# Altium PCB MP3_Player.PcbDoc (part 1 of 2) (continued)
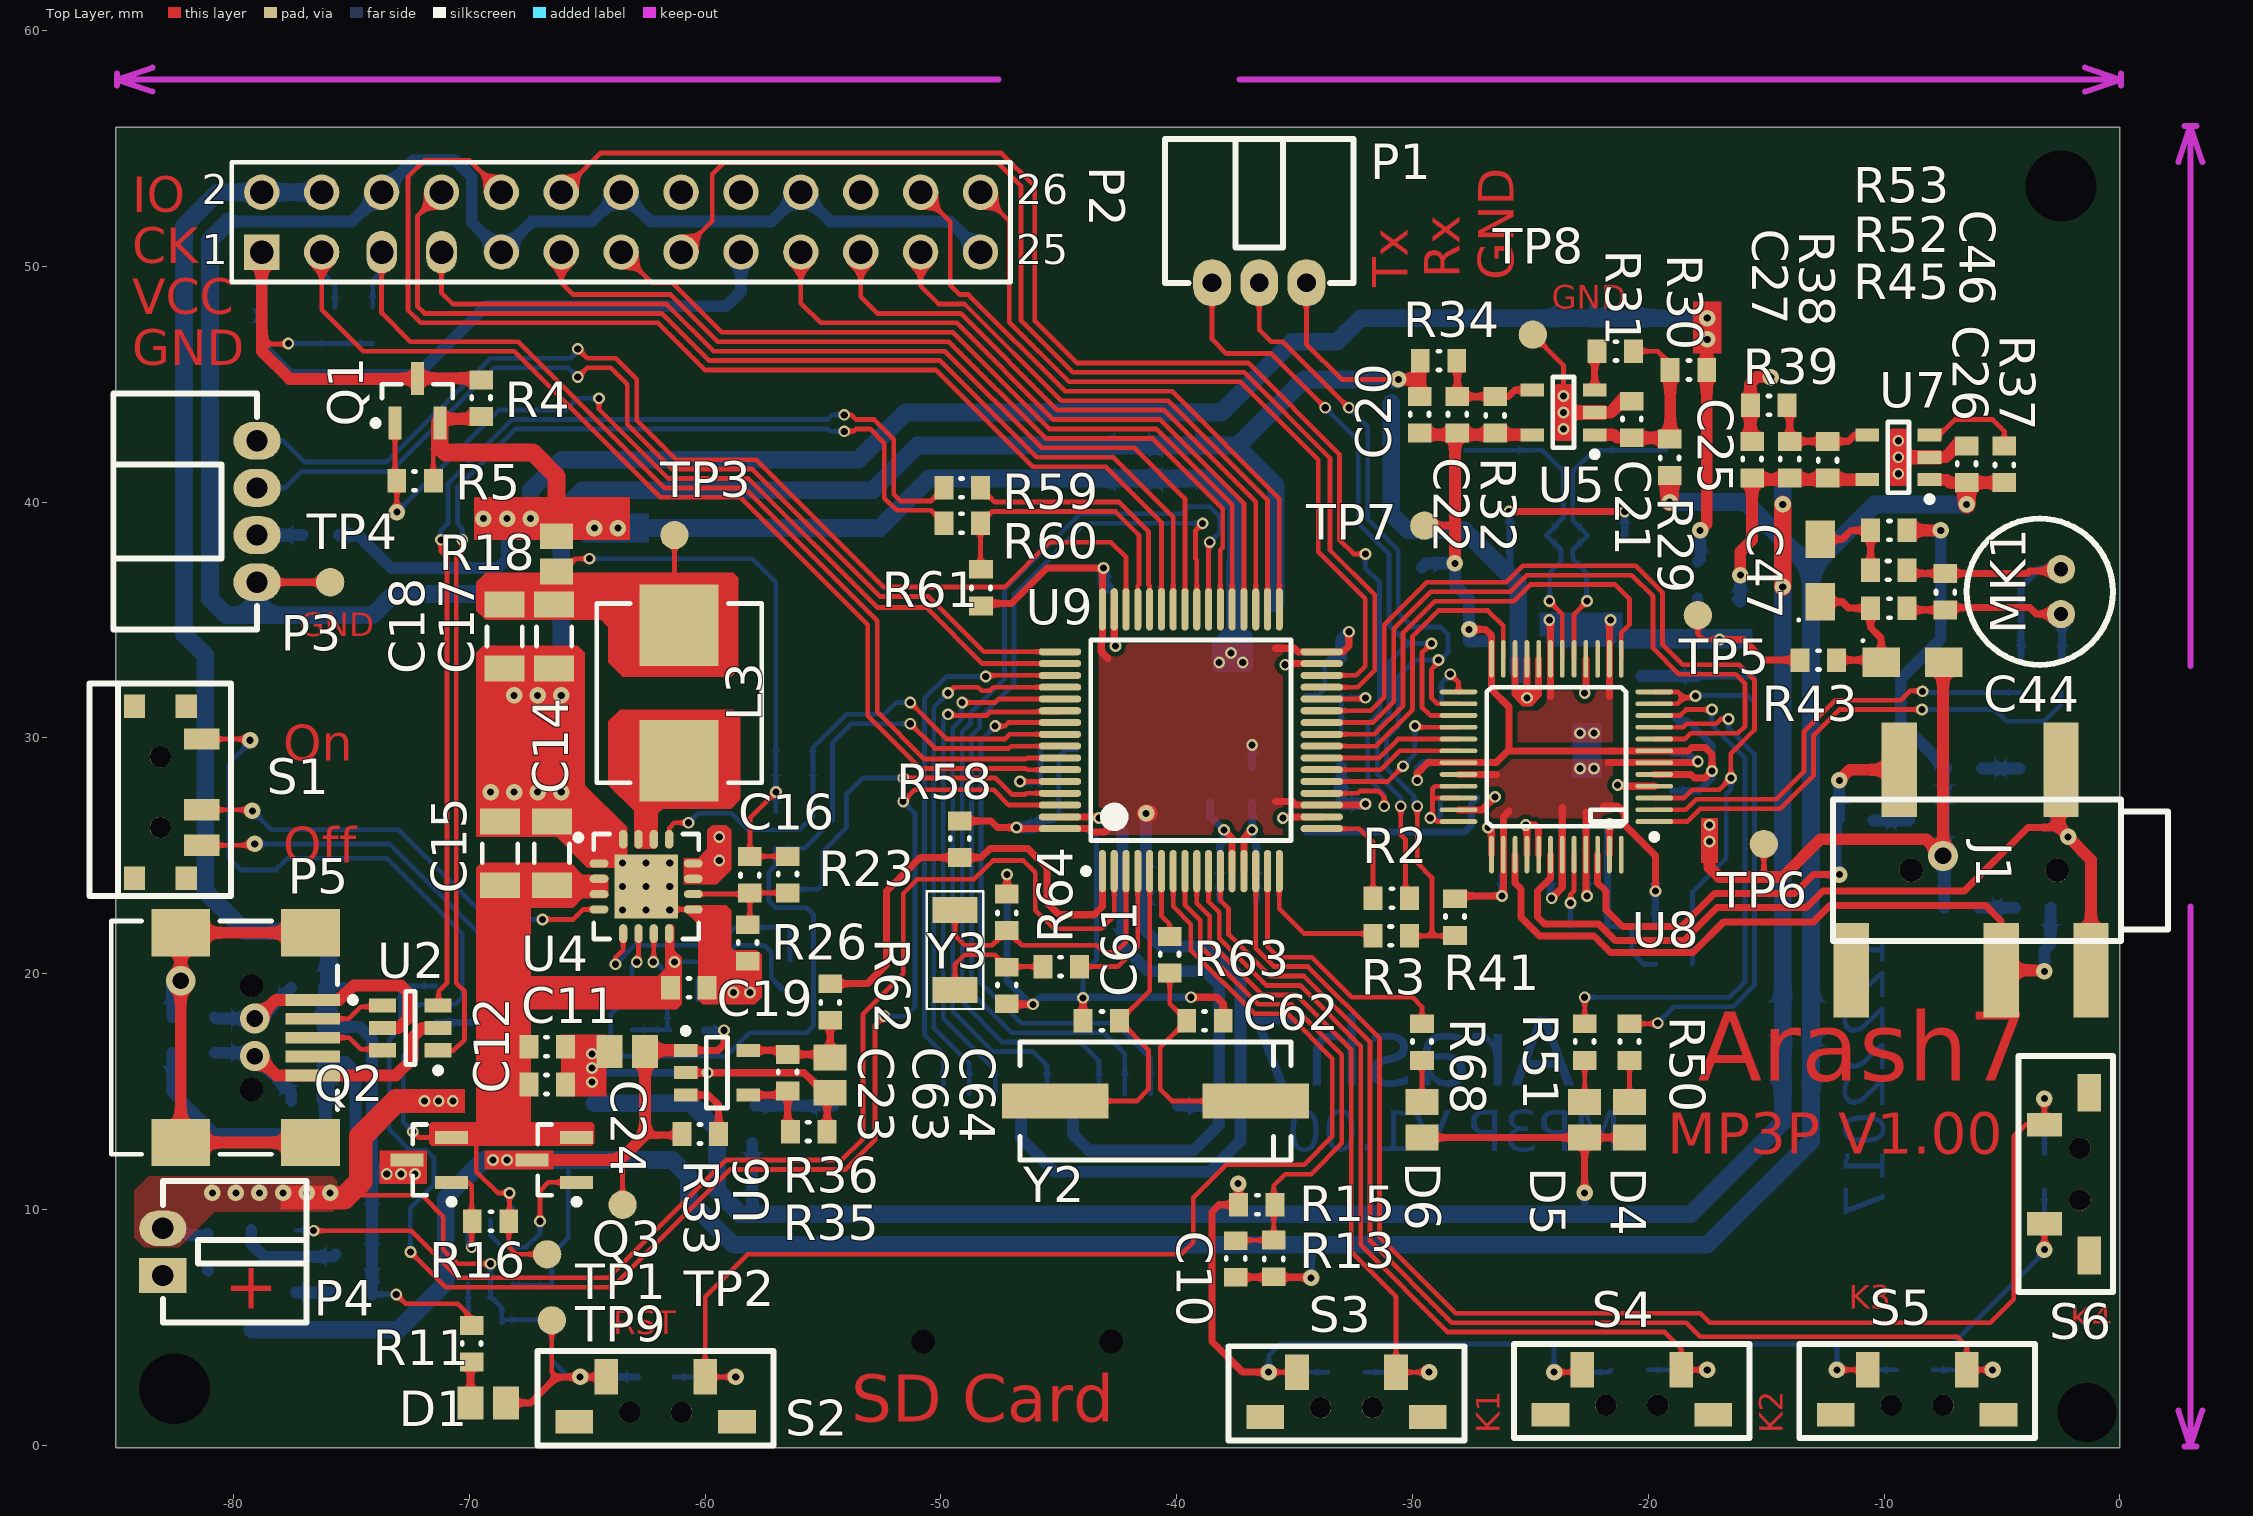
[diagram p0: Top Layer view]
## Components (designator, comment, footprint, x,y, rotation, side; value= is the part's Value field where it differs from the comment) (continued)
R50 "Res Semi" 0603PKG -20.8,17.1 r90 top
R51 "Res Semi" 0603PKG -22.7,17.1 r90 top
R52 "Res1" 0603PKG -9.8,37.1 r180 top
R53 "Res1" 0603PKG -9.8,38.8 r0 top
R54 "Res1" C0805 -3.5,28.7 r180 bottom
R55 "Res1" C0805 -11.2,26.5 r0 bottom
R56 "Res1" C0805 -3.7,22.8 r180 bottom
R57 "Res1" 0603PKG -18.9,22 r0 bottom
R58 "Res1" 0603PKG -49.2,25.7 r90 top
R59 "Res1" 0603PKG -49.1,40.6 r180 top
R60 "Res1" 0603PKG -49.1,39.1 r180 top
R61 "Res1" 0603PKG -48.3,36.375 r270 top
R62 "Res1" 0603PKG -54.7,18.8 r270 top
R63 "Res1" 0603PKG -40.3,20.8 r90 top
R64 "Res1" 0603PKG -44.9,20.3 r180 top
R65 "Res1" 0603PKG -45,29.5 r0 bottom
R66 "Res1" 0603PKG -45,28 r0 bottom
R67 "Res1" 0603PKG -33.8,31.8 r180 bottom
R68 "Res Semi" 0603PKG -29.6,17.1 r90 top
R70 "Res1" 0603PKG -33.8,30.3 r180 bottom
S1 "SW-SPDT" "Slide switch" -83.1,27.7 r270 top locked
S2 "SW-PB" "SMD push button" -62.1,1 r0 top
S3 "SW-PB" "SMD push button" -32.8,1.2 r0 top
S4 "SW-PB" "SMD push button" -20.7,1.3 r0 top
S5 "SW-PB" "SMD push button" -8.6,1.3 r0 top
S6 "SW-PB" "SMD push button" -1.3,11.5 r90 top
SD1 "SD card holder" "MICROSD SOCKET" -47.7,4.4 r180 bottom locked
TP1 "TP" TP_15 -66.7,8.1 r0 top
TP2 "TP" TP_15 -63.5,10.2 r90 top
TP3 "TP" TP_15 -61.3,38.6 r90 top
TP4 "TP" TP_15 -75.9,36.6 r90 top
TP5 "TP" TP_15 -17.9,35.2 r90 top
TP6 "TP" TP_15 -15.1,25.5 r90 top
TP7 "TP" TP_15 -29.5,39 r90 top
TP8 "TP" TP_15 -24.9,47.1 r90 top
TP9 "TP" TP_15 -66.5,5.3 r90 top
U1 "MAX1555" SOT23-5 -78.3,7.8 r270 bottom
U2 "PRTR5V0U2D" SOT457 -72.5,17.7 r180 top
U3 "LTC4412" SOT23-6 -69.1,8.1 r90 bottom
U4 "Buck converter" QFN16-4*4*0.65 -62.5,23.7 r0 top locked
U5 "TPS73601" SOT23-5 -23.6,43.8 r180 top
U6 "TPS76301" SOT23-5 -59.5,15.8 r0 top
U7 "TPS73601" SOT23-5 -9.4,41.9 r180 top
U8 "VS1063" LQFP48 -23.9,29.2 r180 top locked
U9 "STM32F103RCT6" LQFP64 -39.4,29.9 r90 top locked
Y1 "XTAL" SMD_Crystal -23.5,42.2 r180 bottom
Y2 "XTAL" SMD_Crystal -40.9,14.6 r180 top
Y3 "CM415-32.768kHz" CM415 -49.4,21 r270 top

## Footprints (in the part's own frame and the unit in brackets; to place one, negate y for a bottom-side part, rotate by r counter-clockwise, add the part's x,y. Pads: shape width x height; smd on the part's side, far side on the other; paste and mask are expansions set on the pad)
0603PKG [mm] "Chip Resistor, 2-Leads, Body 1.60x0.78mm, IPC Medium Density"
  rect 0.8x1 smd: 1(-0.775,0) 2(0.775,0)
  silkscreen extent -0.02,-0.4 0.08,0.4, body extent -0.83,-0.4 0.77,0.4, height 0.5
3216X18N [mm] "Molded Capacitor, 2-Leads, Body 3.20x1.60mm, IPC Medium Density"
  rect 1.6x1.25 smd: 1(-1.325,0) 2(1.325,0)
  silkscreen extent -2.15,0.88 -2.05,0.97, body extent -1.65,-0.85 1.75,0.95, height 1.7
"Audio Jack" [mm] "Audio 3.5mm barrel jack"
  round 1 hole 1: 0(0.02,2.84) 0(0.02,-3.35)
  rect 4x1.5 smd: 1(-4.25,3) 2(-4.25,-3.858) 3(4.259,-5.89) 4(4.259,0.46) 5(4.259,4.27)
  silkscreen extent -2.98,-6.66 3.02,7.54
C0805 [mm] "Chip Capacitor, Body 2.0x1.3mm, IPC High Density"
  rect 1.1x1.4 smd: 1(-0.75,0) 2(0.75,0)
  body extent -1.1,-0.72 1.1,0.72, height 1.4
C1206 [mm] "Chip Capacitor, Body 3.2x1.6mm, IPC High Density"
  rect 1.1x1.7 smd: 1(-1.35,0) 2(1.35,0)
  silkscreen extent -0.4,-0.75 0.4,0.75, body extent -1.7,-0.9 1.7,0.9, height 1.3
CAPM3216X18N [mm]
  rect 3.45x3.35 smd: 1(-2.875,0) 2(2.875,0)
  silkscreen extent -3.8,-3.5 3.8,3.5, body extent -3.8,-3.45 3.8,3.45, height 2.8
CM415 [mm] "SMD 32.768Khz crystal"
  rect 1.1x1.9 smd: 1(-1.7,0) 2(1.7,0)
  silkscreen extent -2.5,-1.2 2.5,1.2
HDR2X13 [mm] "Connector; Header; 13x2 Position"
  rect 1.5x1.5 hole 1: 1(0,0)
  round 1.5 hole 1: 2(0,2.54) 3(2.54,0) 4(2.54,2.54) 6(5.08,2.54) 8(7.62,2.54) 9(10.16,0) 10(10.16,2.54) 11(12.7,0) 12(12.7,2.54) 13(15.24,0) 14(15.24,2.54) 15(17.78,0) 16(17.78,2.54) 17(20.32,0) 18(20.32,2.54) 19(22.86,0) 20(22.86,2.54) 21(25.4,0) 22(25.4,2.54) 23(27.94,0) 24(27.94,2.54) 25(30.48,0) 26(30.48,2.54)
  oval 1.3x1.8 hole 1: 5(5.08,0) 7(7.62,0)
  silkscreen extent -1.27,-1.27 31.75,3.81
LQFP48 [mm] "LQFP, 48-Leads, Body 9.00x9.00mm, Pitch 0.50mm, IPC Medium Density"
  oval 1.6x0.2 smd: 1(-4.15,2.75) 2(-4.15,2.25) 3(-4.15,1.75) 4(-4.15,1.25) 5(-4.15,0.75) 6(-4.15,0.25) 7(-4.15,-0.25) 8(-4.15,-0.75) 9(-4.15,-1.25) 10(-4.15,-1.75) 11(-4.15,-2.25) 12(-4.15,-2.75) 25(4.15,-2.75) 26(4.15,-2.25) 27(4.15,-1.75) 28(4.15,-1.25) 29(4.15,-0.75) 30(4.15,-0.25) 31(4.15,0.25) 32(4.15,0.75) 33(4.15,1.25) 34(4.15,1.75) 35(4.15,2.25) 36(4.15,2.75)
  oval 0.2x1.6 smd: 13(-2.75,-4.15) 14(-2.25,-4.15) 15(-1.75,-4.15) 16(-1.25,-4.15) 17(-0.75,-4.15) 18(-0.25,-4.15) 19(0.25,-4.15) 20(0.75,-4.15) 21(1.25,-4.15) 22(1.75,-4.15) 23(2.25,-4.15) 24(2.75,-4.15) 37(2.75,4.15) 38(2.25,4.15) 39(1.75,4.15) 40(1.25,4.15) 41(0.75,4.15) 42(0.25,4.15) 43(-0.25,4.15) 44(-0.75,4.15) 45(-1.25,4.15) 46(-1.75,4.15) 47(-2.25,4.15) 48(-2.75,4.15)
  silkscreen extent -4.28,-2.95 2.95,3.52, body extent -4.5,-4.5 4.5,4.5, height 1.6
LQFP64 [mm] "10mm x 10mm body"
  oval 1.8x0.3 smd: 1(-5.55,3.75) 2(-5.55,3.25) 3(-5.55,2.75) 4(-5.55,2.25) 5(-5.55,1.75) 6(-5.55,1.25) 7(-5.55,0.75) 8(-5.55,0.25) 9(-5.55,-0.25) 10(-5.55,-0.75) 11(-5.55,-1.25) 12(-5.55,-1.75) 13(-5.55,-2.25) 14(-5.55,-2.75) 15(-5.55,-3.25) 16(-5.55,-3.75) 33(5.55,-3.75) 34(5.55,-3.25) 35(5.55,-2.75) 36(5.55,-2.25) 37(5.55,-1.75) 38(5.55,-1.25) 39(5.55,-0.75) 40(5.55,-0.25) 41(5.55,0.25) 42(5.55,0.75) 43(5.55,1.25) 44(5.55,1.75) 45(5.55,2.25) 46(5.55,2.75) 47(5.55,3.25) 48(5.55,3.75)
  oval 0.3x1.8 smd: 17(-3.75,-5.55) 18(-3.25,-5.55) 19(-2.75,-5.55) 20(-2.25,-5.55) 21(-1.75,-5.55) 22(-1.25,-5.55) 23(-0.75,-5.55) 24(-0.25,-5.55) 25(0.25,-5.55) 26(0.75,-5.55) 27(1.25,-5.55) 28(1.75,-5.55) 29(2.25,-5.55) 30(2.75,-5.55) 31(3.25,-5.55) 32(3.75,-5.55) 49(3.75,5.55) 50(3.25,5.55) 51(2.75,5.55) 52(2.25,5.55) 53(1.75,5.55) 54(1.25,5.55) 55(0.75,5.55) 56(0.25,5.55) 57(-0.25,5.55) 58(-0.75,5.55) 59(-1.25,5.55) 60(-1.75,5.55) 61(-2.25,5.55) 62(-2.75,5.55) 63(-3.25,5.55) 64(-3.75,5.55)
  silkscreen extent -5.67,-4.25 4.25,4.57
Microphone [mm] "Electret microphone"
  round 1.2 hole 0.6: 1(-0.95,-0.9) 2(0.95,-0.9)
  silkscreen extent -3.1,-3.1 3.1,3.1
"MICROSD SOCKET" [mm]
  round 0 hole 1: 0(-4.93,0) 0(3.05,0)
  rrect50% 0.75x1.65 smd: 1(2.2,10.5) 2(1.1,10.5) 3(0,10.5) 4(-1.1,10.5) 5(-2.2,10.5) 6(-3.3,10.5) 7(-4.4,10.5) 8(-5.5,10.5)
  rrect50% 0.7x1.65 smd: 9(-6.6,10.5)
  rect 0.9x1.45 smd: 10(-7.75,10)
  rect 1.5x2.2 smd: 11(-7.5,0.4) 12(7.5,0.4)
  rect 1.45x1.45 smd: 13(6.85,10)
  silkscreen extent -9.25,-4.57 9.23,11.93, body extent -8.02,-4.1 7.98,11.15, height 1.95
"Mini USB" [mm]
  rect 2.3x0.5 smd: 1(-3.362,-1.387) 2(-3.362,-0.587) 3(-3.362,0.213) 4(-3.362,1.013) 5(-3.362,1.813)
  rect 2.5x2 smd: 6(-3.262,4.663) 7(2.238,4.663) 8(-3.262,-4.237) 9(2.238,-4.237)
  round 1 hole 1 unplated: MH1(-0.762,2.413) MH2(-0.762,-1.987)
  silkscreen extent -5.19,-4.74 5.19,5.16, body extent -4.13,-4.85 5.12,5.05, height 3.93
QFN16-4*4*0.65 [mm]
  oval 0.8x0.35 smd: 1(-2,0.975) 2(-2,0.325) 3(-2,-0.325) 4(-2,-0.975) 9(2,-0.975) 10(2,-0.325) 11(2,0.325) 12(2,0.975)
  oval 0.35x0.8 smd: 5(-0.975,-2) 6(-0.325,-2) 7(0.325,-2) 8(0.975,-2) 13(0.975,2) 14(0.325,2) 15(-0.325,2) 16(-0.975,2)
  rect 2.7x2.7 smd: 17(0,0)
  silkscreen extent -3,-2.22 2.22,2.23, body extent -2.08,-2.08 2.09,2.09, height 0.85
"Slide switch" [mm] "On/Off slide switch"
  rect 1x0.9 smd: 0(-3.65,-1.1) 0(-3.65,1.1) 0(3.65,-1.1) 0(3.65,1.1)
  round 0.9 hole 0.9: 0(-1.5,0) 0(1.5,0)
  rect 0.9x1.5 smd: 1(-2.25,1.75) 2(0.75,1.75) 3(2.25,1.75)
  silkscreen extent -4.6,-3 4.4,3, body extent -3.9,-2.76 3.8,2.24, height 1.4
"SMD push button" [mm]
  rect 1.6x1 smd: 0(-3.45,0) 0(3.45,0)
  round 0.9 hole 0.9: 0(-1.1,0.4) 0(1.1,0.4)
  rect 1x1.5 smd: 1(-2.1,1.9) 2(2.1,1.9)
  silkscreen extent -5,-1 5,3
SMD_Crystal [mm]
  rect 4.5x1.5 smd: 1(-4.25,0) 2(4.25,0)
  silkscreen extent -5.75,-2.5 5.75,2.5, body extent -6.25,-2.4 6.25,2.4, height 4
SOT23 [mm] "SOT23, 3-Leads, Body 2.90x2.30mm, Pitch 0.95mm, IPC Medium Density"
  rect 1.4x0.55 smd: 1(-0.95,0.95) 2(-0.95,-0.95) 3(0.95,0)
  silkscreen extent -1.07,-1.5 0.7,1.9, body extent -1.47,-1.45 1.33,1.45, height 1.3
SOT23-5 [mm] "SOT23, 5-Leads, Body 2.90x2.77mm, Pitch 0.95mm, IPC Medium Density"
  rect 1x0.55 smd: 1(-1.325,0.95) 2(-1.325,0) 3(-1.325,-0.95) 4(1.325,-0.95) 5(1.325,0.95)
  silkscreen extent -1.45,-1.5 0.45,1.9, body extent -1.27,-1.5 1.23,1.5, height 1.05
SOT23-6 [mm]
  rect 0.95x0.55 smd: 1(-1.35,0.95) 2(-1.35,0) 3(-1.35,-0.95) 4(1.35,-0.95) 5(1.35,0) 6(1.35,0.95)
  silkscreen extent -1.47,-1.5 0.5,1.9, body extent -1.25,-1.45 1.15,1.45, height 1
SOT457 [mm]
  rect 1.15x0.6 smd: 1(-1.175,0.95) 2(-1.175,0) 3(-1.175,-0.95) 4(1.175,-0.95) 5(1.175,0) 6(1.175,0.95)
  silkscreen extent -1.3,-1.55 0.2,1.92, body extent -1.4,-1.52 1.4,1.47, height 1
TP_15 [mm] "Test point"
  round 1.2 smd: 1(0,0)
XH_2Pin_RA [mm] "2 pin XH connector 2mm pitch"
  rect 1.5x2 hole 0.9: 1(-1,0)
  oval 1.5x2 hole 0.9: 2(1,0)
  silkscreen extent -3,-6.1 3,0
XH_3Pin_RA [mm] "3 pin XH connector 2mm pitch"
  oval 1.6x2 hole 0.8: 1(-2,0) 2(0,0) 3(2,0)
  silkscreen extent -4,-6.1 4,0
XH_4Pin_RA [mm] "4 pin XH connector 2mm pitch"
  oval 1.6x2 hole 0.9: 1(-3,0) 2(-1,0) 3(1,0) 4(3,0)
  silkscreen extent -5,-6.1 5,0

## Part data
C1 C2 C3 C4 C5 C6 C7 C8 C9 C11 C12 C13 C33 C34 C61 C62 C63 C64 C69: "Capacitor"
C10 C14 C15 C16 C17 C18 C19 C20 C21 C22 C23 C24 C25 C26 C27 C28 C29 C30 C31 C32 C35 C36 C37 C38 C39 C40 C41 C42 C43 C45 C46 C48 C49 C50 C51 C52 C53 C54 C55 C56 C57 C58 C59 C60 C65 C66 C67 C68 C70 C71 C72 C73 C74 C75: "Capacitor (Semiconductor SIM Model)"
C44 C47: "Polarized Capacitor (Surface Mount)"
D1 D4 D5 D6: "Typical INFRARED GaAs LED"
J1: library part "Audio Jack"
L1 L2 L4 L5: library part Inductor, "Inductor"
L3: library part "Inductor Iron", "Magnetic-Core Inductor"
MK1: library part Mic2, "Microphone"
P1: library part "Header 3", "Header, 3-Pin"
P2: library part "Header 13X2", "Header, 13-Pin, Dual row"
P3: library part "Header 4", "Header, 4-Pin"
P4: "Header, 2-Pin"
P5: library part "Mini USB"
Q1 Q2 Q3: library part PMOS-2, "P-Channel Power MOSFET"
R2 R3 R4 R5 R6 R7 R8 R18 R19 R20 R21 R22 R23 R24 R25 R26 R27 R28 R29 R30 R31 R32 R33 R34 R35 R36 R37 R38 R39 R40 R41 R42 R43 R44 R45 R46 R47 R48 R49 R52 R53 R54 R55 R56 R57 R58 R59 R60 R61 R62 R63 R64 R65 R66 R67 R70: "Resistor"
R9 R10 R11 R12 R13 R14 R15 R16 R17 R50 R51 R68: "Semiconductor Resistor"
S1: "SPDT Subminiature Toggle Switch, Right Angle Mounting, Vertical Actuation"
S2 S3 S4 S5 S6: "Switch"
SD1: library part MicroSD_holder
TP1 TP2 TP3 TP4 TP5 TP6 TP7 TP8 TP9: library part "Test Point"
U1: "1-Cell Li+  Battery Chargers"
U2: "TVS Zener"
U3: "Low Loss PowerPath™  Controller in ThinSOT"
U4: library part TPS62110, "17-V, 1.5-A, SYNCHRONOUS STEP-DOWN CONVERTER"
U5 U7: "TPS736xx Cap-Free, NMOS, 400-mA Low-Dropout Regulator with Reverse Current  Protection"
U6: "TPS763 Low-Power 150-mA Low-Dropout Linear Regulators"
U8: "Audion Codec"
U9: "ARM Cortex-M3 32-bit MCU, 256 KB Flash, 48 KB Internal RAM, 51 I/Os, 64-pin LQFP, -40 to 85 degC, Tray"
Y1 Y2: "Crystal Oscillator"
Y3: library part XTAL, "Crystal Oscillator CM415-32.768kHz"

## Free pads (board coordinates)
  round 1.524 hole 3: 2(-82.5,2.4) 2(-2.5,53.4)
  round 1.524 hole 2.5: 2(-1.4,1.4)

## Via types
v1: diameter 0.5, hole 0.3, Top Layer to Bottom Layer, 136 vias
v2: diameter 0.7, hole 0.3, Top Layer to Bottom Layer, 53 vias
v3: diameter 1.27, hole 0.711, Top Layer to Bottom Layer, 4 vias

## Nets (pads, with @x,y where several pads share a name; then routed paths per layer and width w, separated by ;. In a path a pad name is that pad's centre, name@x,y a point inside that pad or via, vN(x,y) a via of type N, cw(c..) or ccw(c..) an arc to the next point about the centre after c; other vN are vias at no path point)
5V0: C7.2 C8.2 L1.2 P2.2 P2.4 Q2.3 R9.1 R10.1 R11.2 R12.2 | length 64.2
  Top Layer w0.2: v1(-73.1,6.4) -72.7,6 -70.5,6 -69.9,5.4 R11.2@-69.9,5.075
  Bottom Layer w0.2: L1.2@-76.05,19.4 -75.95,19.5 R12.2@-74.475,19.5 ; R10.1@-74.125,6.4 v1(-73.1,6.4)
  Bottom Layer w0.5: C7.2@-76.1,17.75 -74.65,17.75 -74.125,17.225 C8.2@-74.125,9.7 R10.1@-74.125,6.4
  Bottom Layer w0.75: P2.4@-76.26,53.14 P2.2@-78.8,53.14 -80.66,53.14 -82.1,51.7 -82.1,34.4 -81.2,33.5 -81.2,23.5 -79.5,21.8 -76.6,21.8 -75.95,21.15 L1.2@-75.95,19.5 ; C7.2@-76.1,17.75 -76.05,17.8 L1.2@-76.05,19.4
  other v1: -73.5,11.5 -72.9,11.5 -72.3,11.5
ADC_BAT: C10.2 R13.1 R15.2 U9.8 | length 22.7
  Top Layer w0.2: U9.8@-39.65,24.35 -39.65,22.916 -39,22.266 -39,21.166 -36.534,18.7 -35.134,18.7 -33,16.566 -33,12.8 -34.3,11.5 -35.4,11.5 -35.883,11.017 R13.1@-35.883,8.7 -37.475,8.7 C10.2@-37.5,8.675
AGND: C35.1 C40.1 C41.1 C42.1 C43.1 C44.2 C49.2 C50.2 C51.2 C52.2 R46.2 R53.2 TP6.1 U8.37 U8.40 U8.41 U8.47 | length 53.9
  Top Layer w0.2: v1(-25.2,26.3) v1@-25.15,26.3 ; -15.1,24.1 TP6.1@-15.1,25.5
  Top Layer w0.3: v1(-26.8,26.2) -26.7,26.2 -26.65,26.15 U8.37@-26.65,25.05 ; U8.40@-25.15,25.05 -25.15,26.3 -24.8,26.3 -24.65,26.15 U8.41@-24.65,25.05 ; U8.47@-21.65,25.05 v1(-21.65,26.35)
  Top Layer w0.5: v1(-17.4,25.6) -17.4,24.5 -17,24.1 -15.1,24.1 -14.3,24.1 -12.7,25.7 -8.2,25.7 v3(-7.5,25) -7.5,33.175 C44.2@-7.475,33.2 ; R53.2@-9.025,38.8 v2(-7.6,38.8)
  Bottom Layer w0.2: C35.1@-21.725,22 -20.9,22 -20.7,21.8 -20.7,20.9 -20.2,20.4 C52.2@-19.675,20.4
  Bottom Layer w0.3: C35.1@-21.725,22 -21.725,26.275 v1(-21.65,26.35)
  Bottom Layer w0.5: v2(-7.6,38.8) -7.6,34.2 -9.3,32.5 -9.3,30.65 C49.2@-7.35,28.7 -7.45,28.6 C50.2@-7.45,26.5 v3@-7.45,25 ; v3(-7.5,25) v3@-7.45,25 ; C51.2@-7.45,22.8 v3@-7.45,25
  other v1: -17.4,26.3
BOOT0: R65.1 R66.1 U9.60 | length 4.2
  Top Layer w0.2: v1(-46.65,28.15) U9.60@-44.95,28.15
  Bottom Layer w0.2: v1(-46.65,28.15) -46.7,28.1 -45.875,28.1 R66.1@-45.775,28 R65.1@-45.775,29.5
BOOT1: R67.1 R70.1 U9.28 | length 4.4
  Top Layer w0.2: U9.28@-33.85,31.65 -32.05,31.65 v1(-32,31.7)
  Bottom Layer w0.2: R70.1@-33.025,30.3 R67.1@-33.025,31.8 -32.925,31.7 v1(-32,31.7)
C\H\G\: U1.3 U9.2 | length 52.2
  Top Layer w0.2: v1(-76.6,9.1) -72.466,9.1 -70.466,7.1 -64.1,7.1 -59.1,12.1 -54.2,12.1 -53.3,13 -53.3,18.3 -51.6,20 -51.6,23.4 -51,24 -48.6,24 -48.125,24.475 -48.114,24.475 -47.789,24.8 -46.5,24.8 -46,24.3 -46,22.7 -45.2,21.9 -43.2,21.9 -42.65,22.45 U9.2@-42.65,24.35
  Bottom Layer w0.2: U1.3@-77.35,9.125 -76.625,9.125 v1(-76.6,9.1)
CVDD: C20.1 C22.1 C28.2 C29.2 C30.2 C31.2 C32.2 R32.2 TP7.1 U5.5 U8.5 U8.7 U8.24 U8.31 | length 47.5
  Top Layer w0.3: v1(-29.8,28.2) -29.8,28.5 -29.35,28.95 U8.31@-28.05,28.95 -26.45,28.95 -25.9,29.5 ; TP7.1@-29.5,39 -28.2,39 ; C22.1@-28.1,42.85 C22.1@-28.1,42.925 ; v2(-27.6,34.6) -26.9,34.6 -26.65,34.35 U8.24@-26.65,33.35 -26.65,32.05 -25.9,31.3 -25.9,29.5 ; U8.5@-19.75,28.45 -18.199,28.45 -18.049,28.3 -17.6,28.3 v1(-17.3,28.6) -17.3,29.3 -17.6,29.6 -18.149,29.6 -18.299,29.45 U8.7@-19.75,29.45 -25.85,29.45 -25.9,29.5
  Top Layer w0.5: C20.1@-29.7,42.925 -29.625,42.85 C22.1@-28.1,42.85 ; v2(-28.2,37.4) -28.2,39 -28.2,42.75 C22.1@-28.1,42.85 ; U5.5@-24.925,42.85 C22.1@-28.1,42.85
  Bottom Layer w0.3: v1(-29.8,28.2) -29.8,28.7 -29.55,28.95 C30.2@-28.825,28.95 ; C28.2@-18.975,27.75 -17.85,27.75 -17.3,28.3 v1(-17.3,28.6) -17.3,29.7 -18.3,30.7 -18.725,30.7 C29.2@-18.975,30.95
  Bottom Layer w0.5: C32.2@-29.6,37.225 -29.425,37.4 v2(-28.2,37.4) -28.2,36.5 -27.6,35.9 v2(-27.6,34.6) -27.6,34.1 -26.825,34.1 C31.2@-26.8,34.075
DAC_OUT1: P2.12 U9.20 | length 61.9
  Top Layer w0.2: P2.12@-66.1,53.14 -64.44,54.8 -47.434,54.8 -46.019,53.384 -46.019,47.681 -44.237,45.9 -36.969,45.9 -33.1,42.031 -33.1,38.4 -32.5,37.8 v1(-32,37.8) ; U9.20@-33.85,27.65 -32.328,27.65 -32.228,27.75 -31.45,27.75 -31.2,27.5 v1(-31.2,27.1)
  Bottom Layer w0.2: v1(-32,37.8) -32,37.2 -31.4,36.6 -31.4,31.1 -31.9,30.6 -31.9,28.3 -31.2,27.6 v1(-31.2,27.1)
DREQ: U8.8 U9.26 | length 31.4
  Top Layer w0.2: U9.26@-33.85,30.65 -31.681,30.65 -30.8,31.531 -30.8,34.631 -29.231,36.2 -25.866,36.2 -25.166,36.9 -20.7,36.9 -19.8,36 -19.8,33.8 -18.7,32.7 -16.3,32.7 -15.9,32.3 -15.9,30.5 -16.2,30.2 -18.2,30.2 -18.45,29.95 U8.8@-19.75,29.95
GBUF: J1.1 J1.5 R54.1 U8.42 | length 39.6
  Top Layer w0.3: U8.42@-24.15,25.05 -24.15,24.05 -24.7,23.5 -24.7,22.4 -24.4,22.1 -22.1,22.1 -21.4,21.4 -18.493,21.4 -17.093,22.8 -13.3,22.8 -12.6,23.5 -6.6,23.5 -3.9,26.2 -2.6,26.2
  Top Layer w0.5: J1.1@-2.5,28.65 -2.6,28.55 -2.6,26.2 v2(-2.2,25.8) -1.23,24.83 J1.5@-1.23,20.141
  Bottom Layer w0.5: R54.1@-2.75,28.7 -2.75,26.35 v2(-2.2,25.8)
GND: C1.1 C2.1 C3.1 C4.1 C5.1 C7.1 C8.1 C9.1 C11.1 C12.1 C13.1 C14.2 C15.2 C17.2 C18.2 C19.2 C20.2 C21.2 C23.2 C24.2 C25.2 C26.2 C28.1 C29.1 C30.1 C31.1 C32.1 C33.1 C34.1 C36.1 C37.1 C38.1 C39.1 C55.1 C56.1 C57.1 C58.1 C59.1 C60.1 C61.1 C62.1 C63.1 C64.1 C65.1 C66.1 C67.1 C68.1 C69.1 C70.1 C71.1 C72.1 C73.1 C74.1 C75.1 D1.2 D4.2 D5.2 D6.2 L2.2 L5.1 P1.1 P2.6 P2.9 P2.14 P2.20 P2.25 P3.4 P4.2 R14.1 R15.1 R17.1 R20.2 R25.2 R26.1 R34.1 R36.1 R39.1 R40.1 R46.1 R48.1 R49.1 R66.2 R70.2 S1.3 S2.1 S3.1 S4.1 S5.1 S6.1 SD1.6 SD1.10 TP4.1 TP8.1 TP9.1 U1.2 U3.2 U4.1 U4.9 U4.11 U4.12 U4.16 U4.17 U5.2 U6.2 U7.2 U8.4 U8.16 U8.20 U8.21 U8.22 U8.35 U9.18 U9.31 U9.47 U9.63 | length 502.3
  Top Layer w0.2: S1.3@-81.35,25.45 -79.35,25.45 -79.1,25.7 v2(-79.1,25.5) ; -74.9,10.9 -74.6,10.6 -72,10.6 -71.1,9.7 -71.1,8.3 -70.5,7.7 v1(-69.1,7.7) ; TP9.1@-66.5,5.3 -66.5,3.1 -66.3,2.9 ; v1(-62.5,23.7) -61.525,22.725 U4.9@-60.5,22.725 ; v2(-36.1,3.1) S3.1@-34.9,3.1 ; P1.1@-34.5,49.3 -34.5,46.7 -33,45.2 v2(-30.6,45.2) ; TP8.1@-24.9,47.1 -23.6,45.8 v1(-23.6,44.5) ; v2(-24,3.1) -22.9,3.1 S4.1@-22.8,3.2 ; v1(-22.7,31.9) v1@-22.65,31.95 ; v1(-21.3,28) v1@-21.25,27.95 ; v2(-12,3.2) S5.1@-10.7,3.2 ; v2(-3.2,8.3) -3.2,9.2 -3.1,9.3 S6.1@-3.2,9.4
  Top Layer w0.3: P3.4@-79,36.6 TP4.1@-75.9,36.6 ; D1.2@-68.45,1.8 -67.4,1.8 -66.3,2.9 v2(-65.3,2.9) S2.1@-64.2,2.9 ; U6.2@-60.825,15.8 v1(-59.9,15.8) -55.8,15.8 -54.95,14.95 C23.2@-54.7,14.95 -54.825,14.825 R36.1@-54.825,13.3 ; C64.1@-47.2,18.725 -47.175,18.7 v1(-46.1,18.7) ; C63.1@-47.2,23.375 v1(-47.2,24.2) ; U9.63@-44.95,26.65 -43.35,26.65 v1(-43.3,26.6) ; C61.1@-43.975,18 v1(-43.975,18.975) ; U9.47@-42.65,35.45 -42.65,33.95 v1(-42.6,33.9) ; v1(-39.4,19) -38.3,19 -38.025,18.725 C62.1@-38.025,18 ; v2(-37.4,11.1) -37.375,11.075 R15.1@-37.375,10.2 -38.2,10.2 -38.5,9.9 -38.5,4.4 -37.2,3.1 v2(-36.1,3.1) ; v1(-35.5,26.6) -35.45,26.65 U9.18@-33.85,26.65 ; v1(-35.4,33.1) -35.35,33.15 U9.31@-33.85,33.15 ; C20.2@-29.7,44.475 C20.2@-29.675,44.5 ; D6.2@-29.6,13.05 D5.2@-22.7,13.05 ; U8.35@-28.05,26.95 -27.05,26.95 v1(-26.5,27.5) ; v1(-25.9,39.6) v1(-21,39.6) ; U8.22@-25.65,33.35 -25.65,31.957 -25.4,31.707 -25.4,31.7 v1(-25.15,31.7) ; U8.21@-25.15,33.35 v1(-25.15,31.7) ; U8.20@-24.65,33.35 -24.65,31.95 -24.9,31.7 v1(-25.15,31.7) ; v1@-23.5,43.8 U5.2@-22.275,43.8 ; v2(-22.7,10.7) D5.2@-22.7,13.05 ; v1@-22.65,31.95 U8.16@-22.65,33.35 ; v1@-21.25,27.95 U8.4@-19.75,27.95 ; C21.2@-21.125,44.275 C21.2@-20.7,44.275 ; D4.2@-20.8,13.05 D5.2@-22.7,13.05 ; v1@-9.3,41.9 U7.2@-8.075,41.9 ; C26.2@-6.925,42.375 C26.2@-6.5,42.375
  Top Layer w0.5: v2(-30.6,45.2) -29.675,45.2 ; C20.2@-29.675,44.5 -29.675,45.2 ; R34.1@-29.675,46 -29.675,45.2 ; U5.2@-22.275,43.8 -21.6,43.8 C21.2@-21.125,44.275 ; C25.2@-15.6,42.575 -15.675,42.65 R39.1@-15.675,44.1 -15.675,45.025 -15.4,45.3 v2(-14.8,45.3) ; U7.2@-8.075,41.9 -7.4,41.9 C26.2@-6.925,42.375
  Top Layer w0.75: v2(-14.3,36.4) v2(-14.3,39.9)
  Top Layer w1: -76.6,10.5 -75.3,10.5 -74.9,10.9 -74.6,11.2 -74.6,13.1 -73.1,14.6 v1@-72.1,14.6
  Bottom Layer w0.2: v2(-79.1,25.5) -73.4,25.5 -69.5,21.6 -69.5,21.1 ; v1(-69.1,7.7) U3.2@-69.1,6.75 -69.1,6.3 -68.625,5.825 R17.1@-68.625,5.2 -68.5,5.325 C13.1@-66.5,5.325 -66.5,3.6 -65.8,2.9 v2(-65.3,2.9) ; v1(-43.975,18.975) -43.975,19 -43.975,20.025 -43.4,20.6 -43.4,25.8 ; C67.1@-33.575,3.098 -33.577,3.1 v2(-36.1,3.1) -36.1,3.8 -35.6,4.3 -24.1,4.3 ; C65.1@-21.575,3.2 -21.675,3.1 v2(-24,3.1) -24,4.2 -24.1,4.3 ; C39.1@-17.9,32.625 -17.85,32.575 R49.1@-15.5,32.575 ; C68.1@-9.475,3.2 v2(-12,3.2) -12,4.3 ; C66.1@-3.2,10.825 v2(-3.2,8.3) -3.3,8.3 -3.3,8.1 -7.1,4.3 -12,4.3 ; -24.1,4.3 -12,4.3
  Bottom Layer w0.3: R14.1@-71.4,17.925 -69.575,17.925 ; v2(-65.3,2.9) -65.298,2.898 C60.1@-62.875,2.898 ; v1@-64.9,15.8 v1(-59.9,15.8) ; v1(-47.2,24.2) -47.2,19.7 -46.1,18.6 v1(-46.1,18.7) -45.8,19 -43.975,19 v1(-39.4,19) ; -37.4,9.8 v2(-37.4,11.1) ; -34.5,26 -27.8,26 -27.5,26.3 -27.5,27.225 R40.1@-27.275,27.45 ; -26.05,37.05 -25.875,37.225 C33.1@-25.875,38.6 -25.875,39.575 v1(-25.9,39.6) ; v2(-22.7,10.7) -22.7,9.9 -22.6,9.8 ; C34.1@-21.025,38.6 -21,38.625 v1(-21,39.6)
  Bottom Layer w0.5: P4.2@-83,9.2 -82.2,9.2 -81.9,8.9 -81.175,8.9 C5.1@-81.1,8.975 ; C9.1@-82.6,16.65 -82.6,15 -80.8,13.2 -76.6,13.2 -76.1,13.7 L2.2@-76.1,14.65 ; -80.2,51.9 -74.96,51.9 P2.6@-73.72,53.14 -72.36,54.5 -70.6,54.5 -69.9,53.8 -69.9,51.86 P2.9@-68.64,50.6 -67.34,51.9 -64.8,51.9 P2.14@-63.56,53.14 -62.32,51.9 -57.18,51.9 P2.20@-55.94,53.14 -54.7,51.9 -49.62,51.9 P2.25@-48.32,50.6 ; C7.1@-76.1,16.25 -75.25,16.25 -74.825,15.825 -74.825,11.175 ; -58,9.8 C69.1@-58,12.825 ; SD1.6@-44.4,14.9 -44.4,13.2 -43.7,12.5 -39.3,12.5 -38.2,13.6 -38.2,14.4 ; -42.3,26 -42.3,21.2 -41.2,20.1 -38.8,20.1 -38.2,19.5 -38.2,14.4 ; SD1.10@-39.95,14.4 -38.2,14.4 ; -20.3,32.6 -20.275,32.625 C39.1@-17.9,32.625
  Bottom Layer w0.75: -80.2,51.9 -81,51.1 -81,35.9 -80.3,35.2 -79,35.2 ; P3.4@-79,36.6 -79,35.2 ; L2.2@-76.1,14.65 C7.1@-76.1,16.25 ; v2(-66.1,31.8) -66.1,39.6 -65.2,40.5 -52.9,40.5 -51,42.4 -37.5,42.4 -35.8,40.7 -35.8,35.7 ; -66.1,36.1 -73.2,36.1 -74.1,35.2 -79,35.2 ; -64.7,14.5 -60.6,14.5 -59.5,13.4 -59.5,10.8 -58.5,9.8 -58,9.8 -37.4,9.8 -22.6,9.8 -18.2,9.8 -14.3,13.7 v2(-14.3,36.4) ; -37.4,42.4 -34.6,45.2 v2(-30.6,45.2) ; -30.9,44.2 -30.9,39.5 -30.2,38.8 -27.8,38.8 -26.05,37.05 -25.512,36.512 -25.512,32.812 -25.4,32.7 ; v2(-14.3,39.9) -14.3,40.9
  other v1: -71.9,14.6 -71.3,14.6 -70.7,14.6 -64.8,15.4 -64.8,16 -64.8,16.6 -58.8,19.2 -58.1,19.2 -63.5,22.7 -62.5,22.7 -61.5,22.7 -63.5,23.7 -61.5,23.7 -63.5,24.7 -62.5,24.7 -61.5,24.7 -59.4,24.8 -59.4,25.8 -9.4,41.2 -9.4,41.9 -9.4,42.6 -23.6,43.1 -23.6,43.8
  other v2: -80.9,10.7 -79.9,10.7 -78.9,10.7 -77.9,10.7 -76.9,10.7 -75.9,10.7 -69.1,27.7 -68.1,27.7 -67.1,27.7 -66.1,27.7 -68.1,31.8 -67.1,31.8
GNDA: C53.1 C54.1 L5.2 U9.12 | length 6.4
  Top Layer w0.3: v1(-38,26.1) -37.65,25.75 U9.12@-37.65,24.35
  Bottom Layer w0.3: L5.2@-38.6,27.25 -38.6,26.7 v1(-38,26.1) -38,25.6 -38.175,25.425 C54.1@-38.175,24.8 C53.1@-38.175,23.1
GPIO2: R50.2 U8.9 | length 21.3
  Top Layer w0.2: R50.2@-20.8,17.875 -19.625,17.875 v1(-19.6,17.9) ; U8.9@-19.75,30.45 -18.516,30.45 -18.366,30.6 -17.122,30.6 -16.922,30.8 v1(-16.6,30.8) v1@-16.5,30.8
  Bottom Layer w0.2: v1(-19.6,17.9) -18.9,18.6 -16.4,18.6 -15.5,19.5 -15.5,29.3 -16.6,30.4 v1(-16.6,30.8) -16.5,30.8 v1@-16.5,30.9
GPIO3: R51.2 U8.10 | length 22.9
  Top Layer w0.2: R51.2@-22.7,17.875 v1(-22.7,19) ; U8.10@-19.75,30.95 -18.65,30.95 -18.4,31.2 v1(-17.3,31.2)
  Bottom Layer w0.2: v1(-22.7,19) -16.566,19 -15.9,19.666 -15.9,29.134 -17.3,30.534 v1(-17.3,31.2)
HDR_IO1: P2.7 U9.41 | length 41.6
  Top Layer w0.2: P2.7@-71.18,50.6 -71.18,48.88 -70.7,48.4 -61.641,48.4 -59.641,46.4 -49.828,46.4 -45.728,42.3 -41.8,42.3 -39.65,40.15 U9.41@-39.65,35.45
HDR_IO2: P2.11 U9.38 | length 37.6
  Top Layer w0.2: P2.11@-66.1,50.6 -66.1,49.3 -65.6,48.8 -61.466,48.8 -59.466,46.8 -49.663,46.8 -45.563,42.7 -44.966,42.7 -41.028,42.7 -38.05,39.722 -38.05,38.072 -38.15,37.972 U9.38@-38.15,35.45
HDR_IO3: P2.13 U9.37 | length 34.8
  Top Layer w0.2: P2.13@-63.56,50.6 -62.26,49.3 -61.4,49.3 -59.3,47.2 -49.497,47.2 -45.397,43.1 -44.8,43.1 -40.863,43.1 -37.65,39.887 U9.37@-37.65,35.45
HDR_IO4: P2.15 U9.29 | length 51.1
  Top Layer w0.2: P2.15@-61.02,50.6 -59.7,51.92 -59.7,53.9 -59.2,54.4 -47.6,54.4 -46.6,53.4 -46.6,47.697 -44.403,45.5 -37.134,45.5 -33.5,41.866 -33.5,37.966 -31.6,36.066 -31.6,32.878 -32.328,32.15 U9.29@-33.85,32.15
I2C1_SCL: P2.5 R7.2 U9.58 | length 44
  Top Layer w0.2: P2.5@-73.72,50.6 -73.72,48.02 -72.5,46.8 -67.934,46.8 -61.734,40.6 -58.334,40.6 -52.7,34.966 -52.7,31.1 -50.7,29.1 -46.4,29.1 -46.35,29.15 U9.58@-44.95,29.15
  Bottom Layer w0.2: R7.2@-74.1,48.275 -74.1,49.4 -73.72,49.78 P2.5@-73.72,50.6
I2C1_SDA: P2.3 R6.2 U9.59 | length 46.7
  Top Layer w0.2: P2.3@-76.26,50.6 -76.26,48.16 -74.5,46.4 -68.1,46.4 -61.9,40.2 -58.5,40.2 -53.1,34.8 -53.1,30.934 -50.866,28.7 -46.4,28.7 -46.35,28.65 U9.59@-44.95,28.65
  Bottom Layer w0.2: P2.3@-76.26,50.6 -76.26,49.76 -75.7,49.2 R6.2@-75.7,48.275
IOVDD: C36.2 C37.2 C38.2 C39.2 C40.2 C41.2 C42.2 C43.2 R41.2 R43.1 R44.2 R47.2 R57.1 TP5.1 U8.6 U8.14 U8.19 U8.32 U8.38 U8.43 U8.45 | length 47.6
  Top Layer w0.2: v1(-26.2,23.3) v1@-26.15,23.35 ; v1(-24.2,35) v1@-24.15,34.95 ; v1@-22.65,23.35 v1(-22.6,23.3) ; v1@-21.65,35.05 v1(-21.6,35) ; TP5.1@-17.9,35.2 -17.9,34.4 -17.675,34.175 v1(-16.975,34.175)
  Top Layer w0.3: R41.2@-28.075,23.3 v1(-26.2,23.3) ; U8.32@-28.05,28.45 -26.45,28.45 ; v1@-26.15,23.35 U8.38@-26.15,25.05 -26.15,26.65 -25.9,26.9 ; -24.15,31.75 U8.19@-24.15,33.35 v1@-24.15,34.95 ; v1(-24.1,23.2) -23.65,23.65 U8.43@-23.65,25.05 -23.65,27.05 ; v1@-22.65,23.35 U8.45@-22.65,25.05 -22.65,26.85 ; -21.9,27.1 -21.3,27.1 -21,26.8 -21,26.3 -19.7,25 v1(-19.7,23.5) ; -21.7,28.95 U8.6@-19.75,28.95 -17.95,28.95 v1(-17.9,29) ; -21.65,31.75 U8.14@-21.65,33.35 v1@-21.65,35.05 ; v1(-16.975,34.175) -15.975,34.175 -15.1,33.3 R43.1@-13.575,33.3
  Bottom Layer w0.2: C42.2@-26.2,24.175 C42.2@-26.15,24.225 ; C37.2@-24.2,34.175 C37.2@-24.1,34.075 ; v1@-24.15,23.25 v1(-24.1,23.2) ; C40.2@-22.65,24.225 C40.2@-22.6,24.175
  Bottom Layer w0.3: v1(-26.2,23.3) C42.2@-26.2,24.175 ; C37.2@-24.2,34.175 v1(-24.2,35) ; v1@-24.15,23.25 C41.2@-24.15,24.225 ; v1(-22.6,23.3) C40.2@-22.6,24.175 ; v1@-19.8,23.4 v1(-19.7,23.5) ; C43.2@-19.7,24.225 v1(-19.7,23.5) ; R57.1@-19.675,22 -19.7,22.025 v1(-19.7,23.5) ; C36.2@-18.975,29.35 -18.35,29.35 -18,29 v1(-17.9,29)
  Bottom Layer w0.5: C37.2@-24.1,34.075 -24.05,34.125 C38.2@-21.65,34.125 C38.2@-21.6,34.175 ; C39.2@-17.9,34.175 R47.2@-17.9,35.925 ; R44.2@-16.05,34.175 R44.2@-16,34.225
  other v1: -22.9,28.7 -22.3,28.7 -22.9,30.2 -22.3,30.2
KEY1: C67.2 S3.2 U9.9 | length 29.7
  Top Layer w0.2: U9.9@-39.15,24.35 -39.15,22.981 -38.6,22.431 -38.6,21.331 -36.369,19.1 -34.934,19.1 -32.6,16.766 -32.6,8.2 -30.7,6.3 S3.2@-30.7,3.1 v2(-29.3,3.1)
  Bottom Layer w0.2: C67.2@-32.025,3.098 -29.302,3.098 v2(-29.3,3.1)
KEY2: C65.2 S4.2 U9.10 | length 39.3
  Top Layer w0.2: U9.10@-38.65,24.35 -38.65,23.047 -38.2,22.597 -38.2,21.497 -36.203,19.5 -34.769,19.5 -32.2,16.931 -32.2,8.5 -28.5,4.8 -19.3,4.8 -18.6,4.1 S4.2@-18.6,3.2 v2(-17.5,3.2)
  Bottom Layer w0.2: C65.2@-20.025,3.2 v2(-17.5,3.2)